# Allegro board HY_TSSB_ZB_V10A.brd
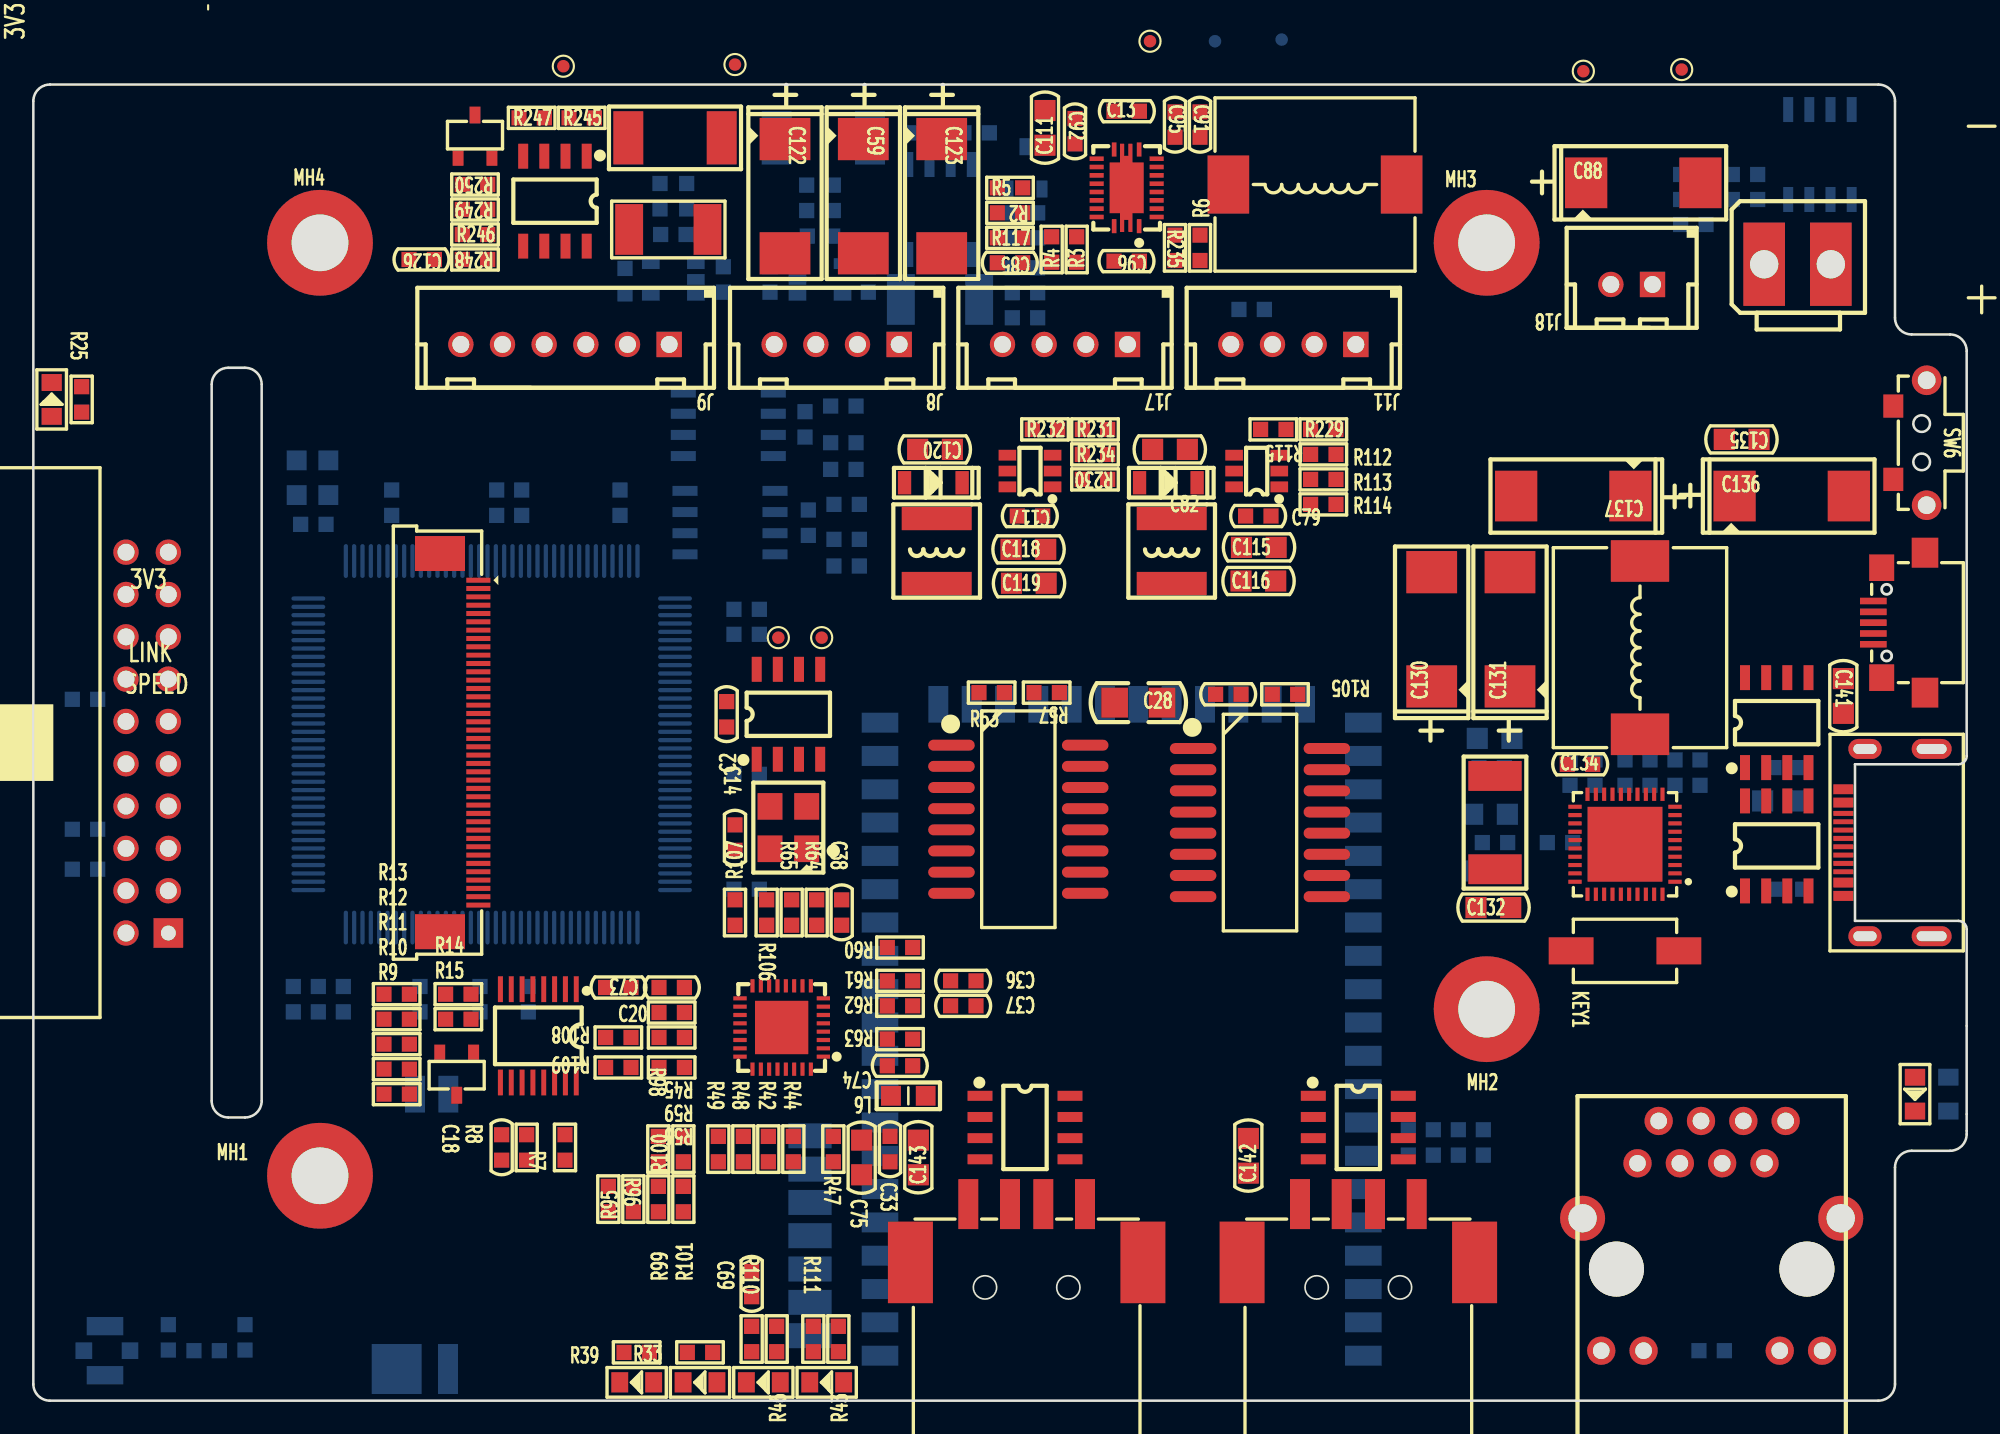
[diagram p0: board, top side]
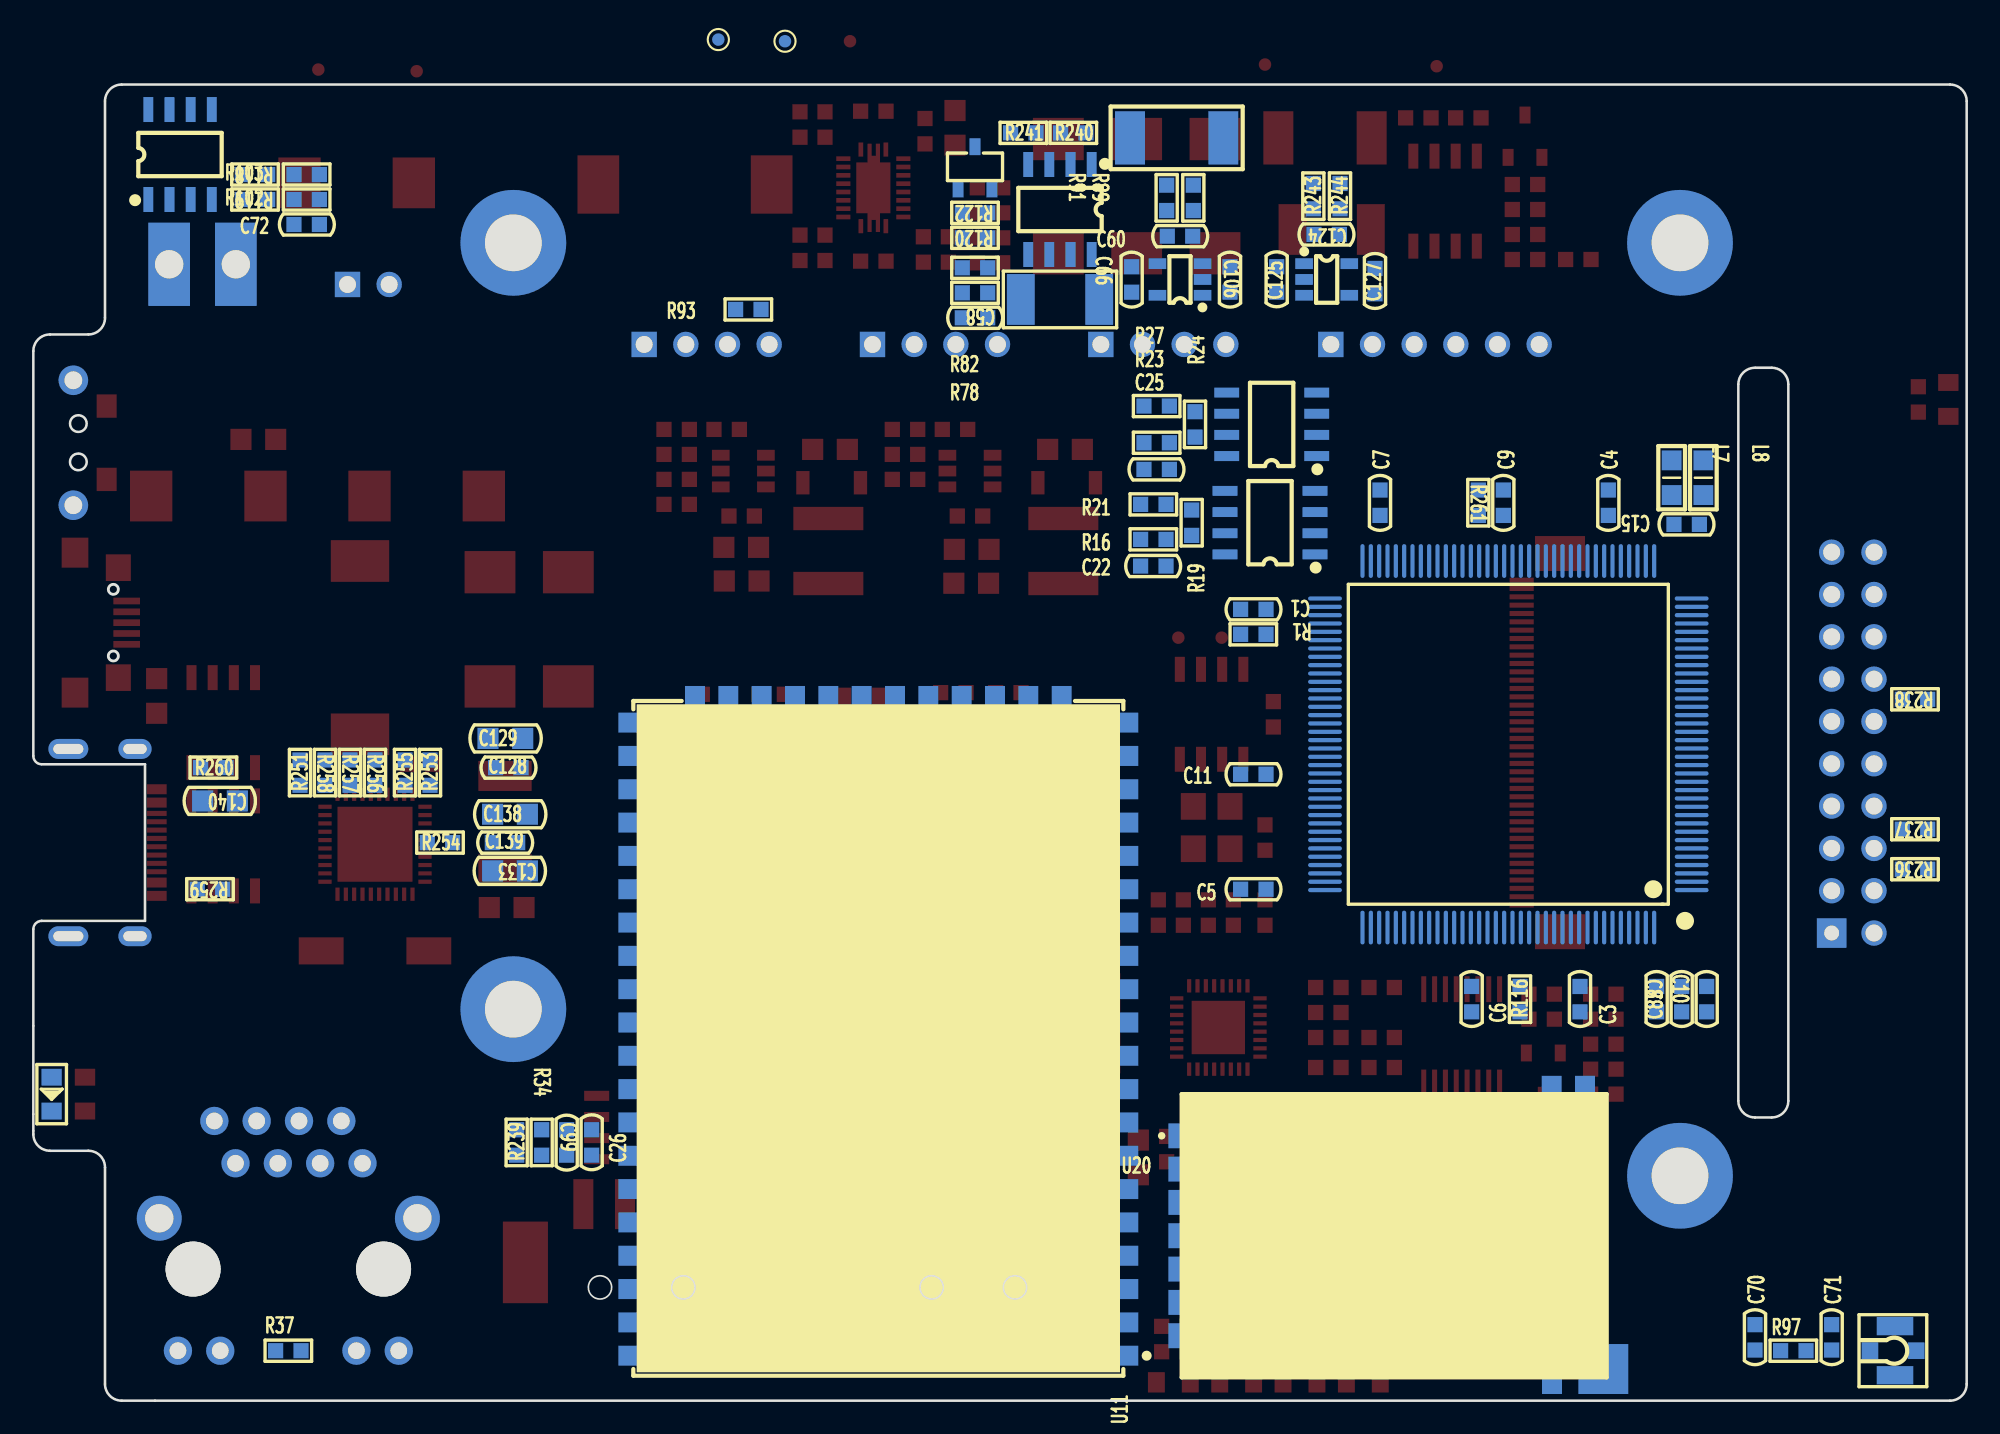
[diagram p1: board, bottom side, seen from below]

Outline 116 x 79 mm; copper layers: TOP, BOTTOM. Coordinates in mm from the lower left corner of the outline.
Outline path: 0,78 arc(0.29,78.71) 1,79 110.7,79 arc(111.41,78.71) 111.7,78 111.7,65 arc(111.99,64.29) 112.7,64 115,64 arc(115.71,63.71) 116,63 116,38.7 arc(115.85,38.35) 115.5,38.2 109.3,38.2 109.3,28.8 115.5,28.8 arc(115.85,28.65) 116,28.3 116,16 arc(115.71,15.29) 115,15 112.7,15 arc(111.99,14.71) 111.7,14 111.7,1 arc(111.41,0.29) 110.7,0 1,0 arc(0.29,0.29) 0,1 0,78 ; 10.7,61 10.7,18 arc(10.99,17.29) 11.7,17 12.7,17 arc(13.41,17.29) 13.7,18 13.7,61 arc(13.41,61.71) 12.7,62 11.7,62 arc(10.99,61.71) 10.7,61

## Design rules (mm)
constraint set DEFAULT: min track width 0.203, pair gap 0.203
net group DP1: nets TXN3 TXP3
net group DP2: nets RXN3 RXP3
net group DP3: nets R_A R_B
net group DP4: nets RX+ RX-
net group DP5: nets RXN2 RXP2
net group DP6: nets DMA1 DPA1
net group DP7: nets S_A S_B
net group DP8: nets TX+ TX-
net group DP9: nets DMA2 DPA2
net group DP10: nets TXN2 TXP2
net group DP11: nets DMB DPB
net group DP12: nets DMC DPC
net group DP13: nets MK60_RXN MK60_RXP
net group DP14: nets MK60_TXN MK60_TXP
net group DP15: nets RXN3_A RXP3_A
net group DP16: nets TXN3_A TXP3_A

## Placement (name value [footprint] x y rotation side)
C1  0.1uF_25V  [CC0603]  42.8 47.5 180 bottom
C2  0.1uF_25V  [CC0603]  41.6 41.2 90 top
C3  0.1uF_25V  [CC0603]  23.2 24.1 90 bottom
C4  0.1uF_25V  [CC0603]  21.5 53.9 270 bottom
C5  0.1uF_25V  [CC0603]  42.8 30.7 180 bottom
C6  0.1uF_25V  [CC0603]  29.7 24.1 90 bottom
C7  0.1uF_25V  [CC0603]  35.2 53.9 270 bottom
C8  0.1uF_25V  [CC0603]  17.1 24.1 90 bottom
C9  0.1uF_25V  [CC0603]  27.8 53.9 270 bottom
C10  0.1uF_25V  [CC0603]  15.6 24.1 90 bottom
C11  0.1uF_25V  [CC0603]  42.8 37.6 180 bottom
C13  47nF_25V  [CC0603]  65.6 77.4 0 top
C14  0.1uF_25V  [CC0603]  42.1 33.8 270 top
C15  0.1uF_25V  [CC0603]  16.8 52.6 0 bottom
C18  0.1uF_25V  [CC0603]  28.1 15.2 90 top
C20  0.1uF_25V  [CC0603]  35.1 24.8 0 top
C22  0.1uF_25V  [CC0603]  48.8 50.1 0 bottom
C25  0.1uF_25V  [CC0603]  48.6 55.9 0 bottom
C26  0.1uF_25V  [CC0603]  82.5 15.5 90 bottom
C28  0.1uF_25V  [CC0603]  71.7 42.4 180 top
C33  0.1uF_25V  [CC0603]  51.4 15.1 270 top
C36  0.1uF_25V  [CC0603]  55.8 25.2 180 top
C37  0.1uF_25V  [CC0603]  55.8 23.7 180 top
C38  100pF_25V  [CC0603]  48.5 29.3 90 top
C58  100pF_25V  [CC0603]  59.5 65 180 bottom
C59  47uF_25V  [CC7343_31]  49.8 72.3 270 top
C60  10uF_10V  [CC0603]  47.2 69.9 180 bottom
C66  0.1uF_25V  [CC0603]  50.1 67.3 270 bottom
C69  0.1uF_25V  [CC0603]  43.1 7 90 top
C70  0.1uF_25V/NI  [CC0603]  12.7 3.8 90 bottom
C71  0.1uF_25V/NI  [CC0603]  8.1 3.8 90 bottom
C72  100pF_25V  [CC0603]  99.6 70.6 180 bottom
C73  0.1uF_25V  [CC0603]  38.3 24.8 0 top
C74  0.1uF_25V  [CC0603]  52 20.1 180 top
C75  10uF_25V  [CC0805]  49.7 14.6 270 top
C79  10nF_25V  [CC0603]  73.5 53.1 180 top
C82  22uF_25V  [CC0805]  68.2 57.1 180 top
C83  0.1uF_25V  [CC0603]  18.6 24.1 90 bottom
C85  4.7nF_25V  [CC0603]  58.6 68.3 180 top
C88  100uF_16V  [CC7343_31]  96.6 73.1 0 top
C91  0.1uF_25V  [CC0603]  70 76.6 270 top
C92  0.1uF_25V  [CC0603]  62.5 76.2 270 top
C95  0.1uF_25V  [CC0603]  68.5 76.6 270 top
C96  2.2uF_10V  [CC0603]  65.6 68.4 180 top
C98  1nF_2000V  [C1206]  66.3 41.9 180 top
C99  100pF_25V  [CC0603]  84 15.5 270 bottom
C106  100pF_25V  [CC0603]  44.2 67.3 270 bottom
C111  22uF_25V  [CC0805]  60.7 76.4 90 top
C115  22uF_25V  [CC0805]  73.53 51.22 0 top
C116  22uF_25V  [CC0805]  73.5 49.2 0 top
C117  10nF_25V  [CC0603]  59.8 53.1 180 top
C118  22uF_25V  [CC0805]  59.7 51.1 0 top
C119  22uF_25V  [CC0805]  59.73 49.07 0 top
C120  22uF_25V  [CC0805]  54.1 57.1 180 top
C122  47uF_25V  [CC7343_31]  45.1 72.3 270 top
C123  47uF_25V  [CC7343_31]  54.5 72.3 270 top
C124  10uF_10V  [CC0603]  38.4 70 0 bottom
C125  100pF_25V  [CC0603]  41.4 67.3 90 bottom
C126  100pF_25V  [CC0603]  23.3 68.5 180 top
C127  0.1uF_25V  [CC0603]  35.5 67.2 90 bottom
C128  0.1uF_25V  [CC0603]  87.5 38 180 bottom
C129  22uF_25V  [CC0805]  87.68 39.75 180 bottom
C130  47uF_25V  [CC7343_31]  83.9 46.3 90 top
C131  47uF_25V  [CC7343_31]  88.6 46.3 90 top
C132  22uF_25V  [CC0805]  87.6 29.6 0 top
C133  22uF_25V  [CC0805]  87.4 31.8 0 bottom
C134  0.1uF_25V  [CC0603]  92.8 38.2 0 top
C135  22uF_25V  [CC0805]  102.5 57.7 180 top
C136  47uF_25V  [CC7343_31]  105.5 54.3 0 top
C137  47uF_25V  [CC7343_31]  92.4 54.3 180 top
C138  22uF_25V  [CC0805]  87.4 35.2 180 bottom
C139  0.1uF_25V  [CC0603]  87.7 33.5 180 bottom
C140  10uF_25V  [CC0805]  104.8 36 0 bottom
C141  10uF_25V  [CC0805]  108.6 42.3 270 top
C142  10uF_25V  [CC0805]  72.9 14.7 90 top
C143  10uF_25V  [CC0805]  53.1 14.6 90 top
D1  LED_GREEN  [LED0805]  1.1 60.1 90 top
D2  LED_GREEN  [LED0805]  40 1.1 180 top
D6  LED_GREEN  [LED0805]  36.2 1.1 180 top
D9  LED_YELLOW  [LED0805]  47.6 1.1 180 top
D10  LED_GREEN  [LED0805]  43.8 1.1 180 top
D11  LED_GREEN  [LED0805]  112.9 18.4 270 top
D15  LMBR140FT1G  [SOD-123]  66.5 55.1 0 top
D20  LMBR140FT1G  [SOD-123]  52.4 55.1 0 top
D21  LED_GREEN  [LED0805]  114.9 18.4 270 bottom
F1  mSMD200-16V  [FUSE1812]  54.4 66.1 180 bottom
F2  mSMD200-16V  [FUSE1812]  38.1 70.3 0 top
IPX1  IPEX/NI  [IPEX3]  4.3 3 270 bottom
J2  HEADER10X2_2R54  [HEADER10X2_2R54_L]  8.1 39.5 90 top
J3  -  [HR911105A]  100.7 7.9 180 top
J5  -  [POWER2A]  109.9 65.3 90 top
J7  -  [FPC-40P-0R5-D]  26.7 39.5 0 top
J8  -  [XHB-4A]  48.2 63.4 180 top
J9  -  [XHB-6A]  31.9 63.4 180 top
J11  -  [XHB-4A]  75.6 63.4 180 top
J17  -  [XHB-4A]  61.9 63.4 180 top
J18  XHB-2A  [XH-2A]  95.9 67 180 top
KEY1  KEY  [KEY_SMD_2]  95.5 27 180 top
L1  SMMS1040-1R5M  [SMMS1040]  76.9 73 180 top
L2  SWPA5020S4R7MT  [L5020]  68.3 51 270 top
L6  BLM21PG600  [LC0805]  52.5 18.3 180 top
L7  BEAD_BLM21PG600  [LC0805]  17.7 55.4 270 bottom
L8  BEAD_BLM21PG600  [LC0805]  15.8 55.4 270 bottom
L9  SWPA5020S4R7MT  [L5020]  54.2 51 270 top
L10  SMMS1040-1R5M  [SMMS1040]  96.4 45.2 90 top
MH1  HOLD-M3  [HOLD250D134]  17.2 13.5 0 top
MH2  HOLD-M3  [HOLD250D134]  87.2 23.5 0 top
MH3  HOLD-M3  [HOLD250D134]  87.2 69.5 0 top
MH4  HOLD-M3  [HOLD250D134]  17.2 69.5 0 top
NOREF  -  []  0 0 90 top
NOREF#2  -  []  0 0 90 top
NOREF#3  -  []  0 0 0 top
NOREF#4  -  []  0 0 90 top
NOREF#5  -  []  0 0 90 top
NOREF#6  -  []  0 0 0 top
NOREF#7  -  []  0 0 0 top
Q1  2N7002  [SOT23-3]  25.4 19.6 180 top
Q3  IRF9321TRPbF  [SOIC8]  54.4 71.5 0 bottom
Q5  2N7002  [SOT23-3]  59.5 74 180 bottom
Q14  IRF9321TRPbF  [SOIC8]  31.3 72 180 top
Q15  2N7002  [SOT23-3]  26.5 75.9 0 top
Q16  IRF9321TRPbF  [SOIC8]  107.2 74.8 180 bottom
Q17  IRF9321TRPbF  [SOIC8]  104.6 33.3 0 top
Q18  IRF9321TRPbF  [SOIC8]  104.6 40.7 0 top
Q54  AO4402  [SOIC8]  79.5 16.4 270 top
Q55  AO4402  [SOIC8]  59.5 16.4 270 top
R1  10K  [RC0603]  42.8 46 180 bottom
R2  0R  [RC0603]  58.6 71.3 180 top
R3  100K  [RC0603]  62.6 69.1 90 top
R4  17.4K  [RC0603]  61.1 69.1 90 top
R5  510K  [RC0603]  58.6 72.8 0 top
R6  255K  [RC0603]  70 69.2 270 top
R7  47K  [RC0603]  31.9 15.2 90 top
R8  47K  [RC0603]  29.6 15.2 90 top
R9  100R  [RC0603]  21.8 18.4 0 top
R10  100R  [RC0603]  21.8 19.9 0 top
R11  100R  [RC0603]  21.8 21.4 0 top
R12  100R  [RC0603]  21.8 22.9 0 top
R13  100R  [RC0603]  21.8 24.4 0 top
R14  1K  [RC0603]  25.5 24.4 0 top
R15  47K  [RC0603]  25.5 22.9 0 top
R16  4.7K  [RC0603]  48.8 51.7 0 bottom
R19  120R/NI  [RC0603]  46.5 52.7 270 bottom
R21  4.7K  [RC0603]  48.8 53.8 180 bottom
R23  4.7K  [RC0603]  48.6 57.5 0 bottom
R24  120R/NI  [RC0603]  46.3 58.6 270 bottom
R25  10K  [RC0603]  2.9 60.1 90 top
R27  4.7K  [RC0603]  48.6 59.7 180 bottom
R33  10K  [RC0603]  40 2.9 180 top
R34  0R  [RC0603]  85.5 15.5 90 bottom
R37  4.7K  [RC0603]  100.7 3 0 bottom
R39  10K  [RC0603]  36.2 2.9 180 top
R42  4.7K  [RC0603]  44.1 15.1 270 top
R43  4.7K  [RC0603]  48.3 3.7 90 top
R44  4.7K  [RC0603]  45.6 15.1 270 top
R45  4.7K  [RC0603]  38.3 23.3 180 top
R46  4.7K  [RC0603]  44.6 3.7 90 top
R47  10K  [RC0603]  48 15.1 90 top
R48  4.7K  [RC0603]  42.6 15.1 90 top
R49  4.7K  [RC0603]  41.1 15.1 90 top
R53  75R  [RC0603]  57.5 42.5 0 top
R56  33R  [RC0603]  38.3 20 0 top
R57  75R  [RC0603]  60.8 42.5 180 top
R59  33R  [RC0603]  38.3 21.8 0 top
R60  49.9R  [RC0603]  52 27.2 0 top
R61  49.9R  [RC0603]  52 25.2 0 top
R62  49.9R  [RC0603]  52 23.7 0 top
R63  49.9R  [RC0603]  52 21.7 0 top
R64  6.49K  [RC0603]  47 29.3 90 top
R65  4.7K  [RC0603]  45.5 29.3 90 top
R66  0R01  [RC2512]  87.7 34.7 270 top
R78  20K  [RC0603]  59.5 66.5 0 bottom
R82  100K  [RC0603]  59.5 68 180 bottom
R89  10R  [RC0603]  46.4 72.2 90 bottom
R90  1R  [RC2512]  47.4 75.8 0 bottom
R91  10R  [RC0603]  48 72.2 90 bottom
R93  4.7K  [RC0603]  73.1 65.5 180 bottom
R95  0R  [RC0603]  36 12.1 90 top
R96  0R  [RC0603]  34.5 12.1 90 top
R97  0R/NI  [RC0603]  10.4 3 0 bottom
R98  0R/NI  [RC0603]  37.5 15.1 90 top
R99  0R/NI  [RC0603]  37.5 12.1 270 top
R100  0R  [RC0603]  39 15.1 90 top
R101  0R  [RC0603]  39 12.1 270 top
R102  100K  [RC0603]  99.6 72.1 0 bottom
R103  200K  [RC0603]  99.6 73.6 180 bottom
R105  0R  [RC0603]  75.1 42.4 0 top
R106  4.7K  [RC0603]  44 29.3 90 top
R107  4.7K  [RC0603]  42.1 29.3 90 top
R108  4.7K  [RC0603]  35.1 21.8 180 top
R109  4.7K  [RC0603]  35.1 20 180 top
R110  10K  [RC0603]  43.1 3.7 90 top
R111  10K  [RC0603]  46.8 3.7 90 top
R112  9.09K  [RC0603]  77.4 56.8 180 top
R113  402R  [RC0603]  77.4 55.3 0 top
R114  49.9K  [RC0603]  77.4 53.8 180 top
R115  100K  [RC0603]  74.4 58.3 0 top
R116  47K  [RC0603]  26.8 24.1 90 bottom
R117  56K  [RC0603]  58.6 69.8 0 top
R118  10K  [RC0603]  102.7 73.6 0 bottom
R119  1K  [RC0603]  102.7 72.1 0 bottom
R120  1K  [RC0603]  59.5 69.8 0 bottom
R122  47K  [RC0603]  59.5 71.3 0 bottom
R229  49.9K  [RC0603]  77.4 58.3 0 top
R230  49.9K  [RC0603]  63.7 55.3 180 top
R231  49.9K  [RC0603]  63.7 58.3 0 top
R232  100K  [RC0603]  60.7 58.3 0 top
R234  16.2K  [RC0603]  63.7 56.8 0 top
R235  10K  [RC0603]  68.5 69.2 270 top
R236  10K  [RC0603]  3.1 31.9 0 bottom
R237  10K  [RC0603]  3.1 34.3 0 bottom
R238  10K  [RC0603]  3.1 42.1 0 bottom
R239  0R/NI  [RC0603]  87 15.5 90 bottom
R240  10K  [RC0603]  53.6 76.1 180 bottom
R241  1K  [RC0603]  56.6 76.1 180 bottom
R242  1R  [RC2512]  38.5 75.8 180 top
R243  10R  [RC0603]  39.2 72.3 90 bottom
R244  10R  [RC0603]  37.6 72.3 90 bottom
R245  10K  [RC0603]  32.9 77 0 top
R246  100K  [RC0603]  26.5 70 0 top
R247  1K  [RC0603]  29.9 77 0 top
R248  20K  [RC0603]  26.5 68.5 180 top
R249  1K  [RC0603]  26.5 71.5 180 top
R250  47K  [RC0603]  26.5 73 180 top
R251  82K  [RC0603]  100 37.7 90 bottom
R253  114K  [RC0603]  92.2 37.7 90 bottom
R254  1K  [RC0603]  91.6 33.5 180 bottom
R255  10K  [RC0603]  93.7 37.7 90 bottom
R256  0R/NI  [RC0603]  95.5 37.7 270 bottom
R257  10K  [RC0603]  97 37.7 270 bottom
R258  10K  [RC0603]  98.5 37.7 270 bottom
R259  10K  [RC0603]  105.4 30.7 0 bottom
R260  10K  [RC0603]  105.2 38 180 bottom
R261  0R/NI  [RC0603]  29.3 53.9 270 bottom
SW6  -  [K2-1112SW-A4SW-04]  113.3 57.5 270 top
T1  H81621S  [MAG-100M-1]  73.6 34.7 0 top
T2  H81621S  [MAG-100M-1]  59.1 34.9 0 top
TP1  TestPoint  [TP-0R75]  47.3 45.8 270 top
TP2  TestPoint  [TP-0R75]  44.7 45.8 270 top
TP3  TestPoint  [TP-0R75]  98.9 79.9 0 top
TP5  TestPoint  [TP-0R75]  74.9 81.7 0 bottom
TP6  TestPoint  [TP-0R75]  70.9 81.6 180 bottom
TP11  TestPoint  [TP-0R75]  67 81.6 0 top
TP12  TestPoint  [TP-0R75]  93 79.8 0 top
TP23  TestPoint  [TP-0R75]  42.1 80.2 0 top
TP24  TestPoint  [TP-0R75]  31.8 80.1 0 top
U1  MK60DN512VLQ10  [LQFP-144]  27.5 39.4 0 bottom
U2  CY2305SXI-1HT  [SOIC8]  45.3 41.2 0 top
U3  MP2359DJ-LF-Z  [TSOT23-6]  73.4 55.8 90 top
U5  XPT2046  [TSSOP-16]  30.3 21.9 180 top
U7  MAX3485ESA  [SOIC8]  41.8 52.7 90 bottom
U10  MAX3485ESA  [SOIC8]  41.7 58.6 90 bottom
U11  -  [HLK-RM08K]  50.8 2.7 90 bottom
U12  KSZ8041NLI  [MLF-32]  44.9 22.4 180 top
U18  INA193AIDBVT  [SOT23-5]  47.2 67.3 90 bottom
U20  E32-TTL-100S1/NI  [E32-TTL-100S1]  47.1 15.9 180 bottom
U21  TPS61088RHLR  [VQFN-20]  65.6 72.8 90 top
U47  MP2359DJ-LF-Z  [TSOT23-6]  59.8 55.8 90 top
U48  INA193AIDBVT  [SOT23-5]  38.4 67.3 270 bottom
U49  IP5328P  [QFN-40]  95.5 33.4 180 top
USB2  -  [USB_TYPE-C_16P]  108.7 33.5 90 top
USB3  USB-MICRO  [USB-U-F-M5SS-W-1]  110.4 46.7 90 top
USB4  USB-A  [USB-A-SMD]  79.5 6.8 270 top
USB5  USB-A  [USB-A-SMD]  59.6 6.8 270 top
Y2  SG5032CAN-50M-TJGA  [X-4P-5R0X3R2-SMD]  45.3 34.4 90 top

## Library data of the parts
C1 C3-C11 C13 C15 C22 C25 C26 C28 C33 C36-C38 C60 C66 C69-C71 C73 C74 C79 C85 C91 C92 C95 C96 C98 C99 C117 C124 C127 C128 C134 C139 = CAP NP_2
C2 C14 C58 C72 C75 C82 C106 C111 C115 C116 C118-C120 C125 C126 C129 C132 C133 C135 C138 C140-C143 = CAP NP_3
C18 C20 C83 = CAP NP
C59 C88 C122 C123 C130 C131 C136 C137 = TMP_154254
D1 D2 D6 D9-D11 D21 = LED_4
D15 D20 = DIODE13_0
F1 F2 = FUSE
IPX1 = IPEX_1
J2 = CON20_0
J3 = HR911105A
J5 = CON2
J7 = FPC-40P-0R5-D
J8 J11 J17 = CONN RCPT 4
J9 = CONN RCPT 6
J18 = CONN RCPT 2
KEY1 = SW PUSHBUTTON_1
L1 L10 = IND_BEAD_0805_600OHM_1
L2 L9 = INDUCTOR_0
L6-L8 = IND_BEAD_0805_600OHM_200MA
MH1-MH4 = Hold_1
Q1 Q5 Q15 = MOS-P_0
Q3 Q14 Q16-Q18 = SI4497DY-T1-GE3
Q54 Q55 = SI4410BDY-T1-E3_0
R1-R16 R19 R21 R23-R25 R27 R33 R34 R37 R39 R42-R49 R53 R56 R57 R59-R66 R78 R82 R89-R91 R93 R95-R103 R105-R120 R122 R229-R232 R234-R251 R253-R261 = R_Generic
SW6 = SWITCH-SPST-4P
T1 T2 = H1102_0
TP1-TP3 TP5 TP6 TP11 TP12 = TestPoint
TP23 TP24 = TestPoint_0
U1 = K60
U2 = CY2305C_0
U3 U47 = MP2359DJ-LF-Z
U5 = XPT2046
U7 U10 = MAX3485ESA
U11 = HLK-RM08K
U12 = KSZ8041NL
U18 U48 = 74AHC1G08_1
U20 = E32-TTL-100S1
U21 = TPS61088RHLR
U49 = IP5328P_0
USB2 = TYPE-C_16P
USB3 = USB-MICRO
USB4 USB5 = USB-A
Y2 = SMD_OSC_3

## Footprints (pads in the part's own frame, mm; a bottom-side part is the same pattern mirrored in y, then rotated)
C1206
  rect 1.6x1.8 smd: 1(-1.422,0) 2(1.422,0)
CC0603
  rect 0.914x0.914 smd: 1(-0.762,0) 2(0.762,0)
CC0805
  rect 1.27x1.27 smd: 1(-1.041,0) 2(1.041,0)
CC7343_31
  rect 2.54x3.048 smd: 1(-3.429,0) 2(3.429,0)
E32-TTL-100S1
  rect 2.6x1.5 smd: 1(0.5,0) 2(0.5,-2) 3(0.5,-4) 4(0.5,-6) 5(0.5,-8) 6(0.5,-10) 7(0.5,-12)
  rect 1.2x3 smd: 8(22.22,-14)
  rect 3x3 smd: 9(25.3,-14)
  rect 1.2x2.2 smd: 10(24.2,2.5) 11(22.2,2.5)
FPC-40P-0R5-D
  rect 1.45x0.3 smd: 1(0,9.75) 2(0,9.25) 3(0,8.75) 4(0,8.25) 5(0,7.75) 6(0,7.25) 7(0,6.75) 8(0,6.25) 9(0,5.75) 10(0,5.25) 11(0,4.75) 12(0,4.25) 13(0,3.75) 14(0,3.25) 15(0,2.75) 16(0,2.25) 17(0,1.75) 18(0,1.25) 19(0,0.75) 20(0,0.25) 21(0,-0.25) 22(0,-0.75) 23(0,-1.25) 24(0,-1.75) 25(0,-2.25) 26(0,-2.75) 27(0,-3.25) 28(0,-3.75) 29(0,-4.25) 30(0,-4.75) 31(0,-5.25) 32(0,-5.75) 33(0,-6.25) 34(0,-6.75) 35(0,-7.25) 36(0,-7.75) 37(0,-8.25) 38(0,-8.75) 39(0,-9.25) 40(0,-9.75)
  rect 3x2.1 smd: 41(-2.3,-11.35) 42(-2.3,11.35)
FUSE1812
  rect 1.676x3.048 smd: 1(-2.349,0) 2(2.349,0)
HEADER10X2_2R54_L
  rect 1.778x1.778 hole 0.889: 1(-11.43,0)
  round 1.524 hole 1.016: 2(-11.43,2.54) 3(-8.89,0) 4(-8.89,2.54) 5(-6.35,0) 6(-6.35,2.54) 7(-3.81,0) 8(-3.81,2.54) 9(-1.27,0) 10(-1.27,2.54) 11(1.27,0) 12(1.27,2.54) 13(3.81,0) 14(3.81,2.54) 15(6.35,0) 16(6.35,2.54) 17(8.89,0) 18(8.89,2.54) 19(11.43,0) 20(11.43,2.54)
HLK-RM08K
  rect 1.2x2.2 smd: 1(0,0) 2(2,0) 3(4,0) 4(6,0) 5(8,0) 6(10,0) 7(12,0) 8(14,0) 9(16,0) 10(18,0) 11(20,0) 12(22,0) 13(24,0) 14(26,0) 15(28,0) 16(30,0) 17(32,0) 18(34,0) 19(36,0) 20(38,0) 33(38,29) 34(36,29) 35(34,29) 36(32,29) 37(30,29) 38(28,29) 39(26,29) 40(24,29) 41(22,29) 42(20,29) 43(18,29) 44(16,29) 45(14,29) 46(12,29) 47(10,29) 48(8,29) 49(6,29) 50(4,29) 51(2,29) 52(0,29)
  rect 2.2x1.2 smd: 21(39.1,3.5) 22(39.1,5.5) 23(39.1,7.5) 24(39.1,9.5) 25(39.1,11.5) 26(39.1,13.5) 27(39.1,15.5) 28(39.1,17.5) 29(39.1,19.5) 30(39.1,21.5) 31(39.1,23.5) 32(39.1,25.5)
HOLD250D134
  round 6.35 hole 3.404: 1(0,0)
HR911105A
  round 3.3 hole 3.3 unplated: (-5.715,0) (5.715,0)
  round 1.699 hole 1.001: 1(4.45,-6.35) 2(3.18,-8.89) 3(1.91,-6.35) 4(0.64,-8.89) 5(-0.63,-6.35) 6(-1.9,-8.89) 7(-3.17,-6.35) 8(-4.44,-8.89) 9(6.625,4.9) 10(4.085,4.9) 11(-4.085,4.9) 12(-6.625,4.9)
  round 2.7 hole 1.7: 13(7.745,-3.05) 14(-7.745,-3.05)
IPEX3
  rect 1x1 smd: 1(0,-1.501) 3(0,1.27)
  rect 1.1x2.2 smd: 2(1.473,0) 4(-1.473,0)
K2-1112SW-A4SW-04
  round 1.778 hole 1.067: 1(-3.75,0.3) 4(3.75,0.3)
  rect 1.4x1.2 smd: 2(-2.2,-1.7) 3(2.2,-1.7)
KEY_SMD_2
  rect 2.692x1.626 smd: 1(-3.23,0) 2(3.23,0)
L5020
  rect 1.4x4.2 smd: 1(-1.95,0) 2(1.95,0)
LC0805
  rect 1.194x1.194 smd: 1(-1.041,0) 2(1.041,0)
LED0805
  rect 1.016x1.219 smd: 1(-1.016,0) 2(1.016,0)
LQFP-144
  oval 2.032x0.254 smd: 1(-11,8.75) 2(-11,8.25) 3(-11,7.75) 4(-11,7.25) 5(-11,6.75) 6(-11,6.25) 7(-11,5.75) 8(-11,5.25) 9(-11,4.75) 10(-11,4.25) 11(-11,3.75) 12(-11,3.25) 13(-11,2.75) 14(-11,2.25) 15(-11,1.75) 16(-11,1.25) 17(-11,0.75) 18(-11,0.25) 19(-11,-0.25) 20(-11,-0.75) 21(-11,-1.25) 22(-11,-1.75) 23(-11,-2.25) 24(-11,-2.75) 25(-11,-3.25) 26(-11,-3.75) 27(-11,-4.25) 28(-11,-4.75) 29(-11,-5.25) 30(-11,-5.75) 31(-11,-6.25) 32(-11,-6.75) 33(-11,-7.25) 34(-11,-7.75) 35(-11,-8.25) 36(-11,-8.75) 73(11,-8.75) 74(11,-8.25) 75(11,-7.75) 76(11,-7.25) 77(11,-6.75) 78(11,-6.25) 79(11,-5.75) 80(11,-5.25) 81(11,-4.75) 82(11,-4.25) 83(11,-3.75) 84(11,-3.25) 85(11,-2.75) 86(11,-2.25) 87(11,-1.75) 88(11,-1.25) 89(11,-0.75) 90(11,-0.25) 91(11,0.25) 92(11,0.75) 93(11,1.25) 94(11,1.75) 95(11,2.25) 96(11,2.75) 97(11,3.25) 98(11,3.75) 99(11,4.25) 100(11,4.75) 101(11,5.25) 102(11,5.75) 103(11,6.25) 104(11,6.75) 105(11,7.25) 106(11,7.75) 107(11,8.25) 108(11,8.75)
  oval 0.254x2.032 smd: 37(-8.75,-11) 38(-8.25,-11) 39(-7.75,-11) 40(-7.25,-11) 41(-6.75,-11) 42(-6.25,-11) 43(-5.75,-11) 44(-5.25,-11) 45(-4.75,-11) 46(-4.25,-11) 47(-3.75,-11) 48(-3.25,-11) 49(-2.75,-11) 50(-2.25,-11) 51(-1.75,-11) 52(-1.25,-11) 53(-0.75,-11) 54(-0.25,-11) 55(0.25,-11) 56(0.75,-11) 57(1.25,-11) 58(1.75,-11) 59(2.25,-11) 60(2.75,-11) 61(3.25,-11) 62(3.75,-11) 63(4.25,-11) 64(4.75,-11) 65(5.25,-11) 66(5.75,-11) 67(6.25,-11) 68(6.75,-11) 69(7.25,-11) 70(7.75,-11) 71(8.25,-11) 72(8.75,-11) 109(8.75,11) 110(8.25,11) 111(7.75,11) 112(7.25,11) 113(6.75,11) 114(6.25,11) 115(5.75,11) 116(5.25,11) 117(4.75,11) 118(4.25,11) 119(3.75,11) 120(3.25,11) 121(2.75,11) 122(2.25,11) 123(1.75,11) 124(1.25,11) 125(0.75,11) 126(0.25,11) 127(-0.25,11) 128(-0.75,11) 129(-1.25,11) 130(-1.75,11) 131(-2.25,11) 132(-2.75,11) 133(-3.25,11) 134(-3.75,11) 135(-4.25,11) 136(-4.75,11) 137(-5.25,11) 138(-5.75,11) 139(-6.25,11) 140(-6.75,11) 141(-7.25,11) 142(-7.75,11) 143(-8.25,11) 144(-8.75,11)
MAG-100M-1
  oval 2.794x0.66 smd: 1(-4.013,4.445) 2(-4.013,3.175) 3(-4.013,1.905) 4(-4.013,0.635) 5(-4.013,-0.635) 6(-4.013,-1.905) 7(-4.013,-3.175) 8(-4.013,-4.445) 9(4.013,-4.445) 10(4.013,-3.175) 11(4.013,-1.905) 12(4.013,-0.635) 13(4.013,0.635) 14(4.013,1.905) 15(4.013,3.175) 16(4.013,4.445)
MLF-32
  rect 0.8x0.25 smd: 1(-2.5,1.75) 2(-2.5,1.25) 3(-2.5,0.75) 4(-2.5,0.25) 5(-2.5,-0.25) 6(-2.5,-0.75) 7(-2.5,-1.25) 8(-2.5,-1.75) 17(2.5,-1.75) 18(2.5,-1.25) 19(2.5,-0.75) 20(2.5,-0.25) 21(2.5,0.25) 22(2.5,0.75) 23(2.5,1.25) 24(2.5,1.75)
  rect 0.25x0.8 smd: 9(-1.75,-2.5) 10(-1.25,-2.5) 11(-0.75,-2.5) 12(-0.25,-2.5) 13(0.25,-2.5) 14(0.75,-2.5) 15(1.25,-2.5) 16(1.75,-2.5) 25(1.75,2.5) 26(1.25,2.5) 27(0.75,2.5) 28(0.25,2.5) 29(-0.25,2.5) 30(-0.75,2.5) 31(-1.25,2.5) 32(-1.75,2.5)
  rect 3.2x3.2 smd: 33(0,0)
POWER2A
  rect 5x2.5 hole 1.7: 1(2.912,6.05) 2(2.912,2.05)
QFN-40
  rect 0.8x0.25 smd: 1(-3,2.25) 2(-3,1.75) 3(-3,1.25) 4(-3,0.75) 5(-3,0.25) 6(-3,-0.25) 7(-3,-0.75) 8(-3,-1.25) 9(-3,-1.75) 10(-3,-2.25) 21(3,-2.25) 22(3,-1.75) 23(3,-1.25) 24(3,-0.75) 25(3,-0.25) 26(3,0.25) 27(3,0.75) 28(3,1.25) 29(3,1.75) 30(3,2.25)
  rect 0.25x0.8 smd: 11(-2.25,-3) 12(-1.75,-3) 13(-1.25,-3) 14(-0.75,-3) 15(-0.25,-3) 16(0.25,-3) 17(0.75,-3) 18(1.25,-3) 19(1.75,-3) 20(2.25,-3) 31(2.25,3) 32(1.75,3) 33(1.25,3) 34(0.75,3) 35(0.25,3) 36(-0.25,3) 37(-0.75,3) 38(-1.25,3) 39(-1.75,3) 40(-2.25,3)
  rect 4.5x4.5 smd: 41(0,0)
RC0603
  rect 0.914x0.914 smd: 1(-0.762,0) 2(0.762,0)
RC2512
  rect 1.8x3.2 smd: 1(-2.8,0) 2(2.8,0)
SMMS1040
  rect 2.5x3.5 smd: 1(-5.2,0) 2(5.2,0)
SOD-123
  rect 0.8x1.4 smd: 1(-0.127,0) 2(3.327,0)
SOIC8
  rect 0.6x1.5 smd: 1(-1.9,-2.7) 2(-0.63,-2.7) 3(0.64,-2.7) 4(1.91,-2.7) 5(1.91,2.7) 6(0.64,2.7) 7(-0.63,2.7) 8(-1.9,2.7)
SOT23-3
  rect 0.66x1.016 smd: 1(-1.016,-1.27) 2(1.016,-1.27) 3(0,1.27)
SOT23-5
  rect 0.65x1.06 smd: 1(-0.95,-1.354) 2(0,-1.354) 3(0.95,-1.354) 4(0.95,1.354) 5(-0.95,1.354)
TP-0R75
  round 0.75 smd: 1(0,0)
TSOT23-6
  rect 0.65x1.06 smd: 1(-0.95,-1.354) 2(0,-1.354) 3(0.95,-1.354) 4(0.95,1.354) 5(0,1.354) 6(-0.95,1.354)
TSSOP-16
  rect 0.3x1.55 smd: 1(-2.275,-2.8) 2(-1.625,-2.8) 3(-0.975,-2.8) 4(-0.325,-2.8) 5(0.325,-2.8) 6(0.975,-2.8) 7(1.625,-2.8) 8(2.275,-2.8) 9(2.275,2.8) 10(1.625,2.8) 11(0.975,2.8) 12(0.325,2.8) 13(-0.325,2.8) 14(-0.975,2.8) 15(-1.625,2.8) 16(-2.275,2.8)
USB-A-SMD
  rect 3x1.2 smd: 1(-5,-3.5) 2(-5,-1) 3(-5,1) 4(-5,3.5)
  rect 4.9x2.7 smd: 5(-1.5,-6.975) 6(-1.5,6.975)
USB-U-F-M5SS-W-1
  rect 0.4x1.6 smd: 1(-1.3,0) 2(-0.65,0) 3(0,0) 4(0.65,0) 5(1.3,0)
  rect 1.6x1.5 smd: 6(-3.3,-0.5) 7(3.3,-0.5)
  rect 1.8x1.6 smd: 8(-4.2,-3.1) 9(4.2,-3.1)
USB_TYPE-C_16P
  rect 0.6x1.2 smd: 1(-3.2,0.1) 2(-2.4,0.1) 11(2.4,0.1) 12(3.2,0.1)
  rect 0.3x1.2 smd: 3(-1.75,0.1) 4(-1.25,0.1) 5(-0.75,0.1) 6(-0.25,0.1) 7(0.25,0.1) 8(0.75,0.1) 9(1.25,0.1) 10(1.75,0.1)
  oval 1.2x2 hole 0.6x1.4: 13(-5.62,-1.2) 14(5.62,-1.2)
  oval 1.2x2.4 hole 0.6x1.8: 15(-5.62,-5.2) 16(5.62,-5.2)
VQFN-20
  rect 0.85x0.28 smd: 1(-2.3,-0.75) 10(2.3,-0.75) 11(2.3,0.75) 20(-2.3,0.75)
  rect 0.28x0.85 smd: 2(-1.75,-1.8) 3(-1.25,-1.8) 4(-0.75,-1.8) 5(-0.25,-1.8) 6(0.25,-1.8) 7(0.75,-1.8) 8(1.25,-1.8) 9(1.75,-1.8) 12(1.75,1.8) 13(1.25,1.8) 14(0.75,1.8) 15(0.25,1.8) 16(-0.25,1.8) 17(-0.75,1.8) 18(-1.25,1.8) 19(-1.75,1.8)
  custom 5.3x2.05 smd: 21(0,0)
X-4P-5R0X3R2-SMD
  rect 1.6x1.5 smd: 1(-1.27,-1.1) 2(1.27,-1.1) 3(1.27,1.1) 4(-1.27,1.1)
XH-2A
  rect 1.524x1.524 hole 1.016: 1(-1.25,0)
  round 1.524 hole 1.016: 2(1.25,0)
XHB-4A
  rect 1.524x1.524 hole 1.016: 1(-3.75,0)
  round 1.524 hole 1.016: 2(-1.25,0) 3(1.25,0) 4(3.75,0)
XHB-6A
  rect 1.524x1.524 hole 1.016: 1(-6.25,0)
  round 1.524 hole 1.016: 2(-3.75,0) 3(-1.25,0) 4(1.25,0) 5(3.75,0) 6(6.25,0)

## Nets
GND: C1.1 C2.1 C3.1 C4.1 C5.1 C6.1 C7.1 C8.1 C9.1 C10.1 C11.1 C13.1 C14.1 C18.1 C20.2 C22.2 C25.2 C26.2 C28.2 C33.2 C36.1 C37.1 C38.2 C58.2 C59.2 C66.1 C69.2 C70.2 C71.2 C72.1 C73.1 C74.1 C75.2 C82.2 C83.1 C85.2 C88.2 C92.1 C95.1 C96.2 C98.1 C99.1 C106.1 C111.2 C115.2 C116.2 C118.2 C119.2 C120.2 C122.2 C123.2 C125.1 C126.2 C127.1 C128.1 C129.2 C130.2 C131.2 C132.1 C133.1 C135.2 C136.2 C137.2 C138.2 C139.1 C140.2 C141.2 C142.2 C143.2 D11.2(CATHODE) D15.1 D20.1 D21.2(CATHODE) IPX1.2 IPX1.4 J2.4 J2.6 J2.8 J2.10 J2.12 J2.14 J2.16 J2.18 J2.20 J3.8 J3.13 J3.14 J5.1 J7.1 J7.25 J7.37 J7.39 J7.41 J7.42 J8.2 J9.2 J11.2 J11.3 J17.2 J18.2 KEY1.1 L8.1 Q1.2(S) Q5.2(S) Q15.2(S) R3.1 R15.1 R16.2 R23.2 R44.2 R45.2 R48.1 R49.1 R64.2 R78.1 R100.2 R101.2 R102.2 R108.2 R109.2 R112.2 R117.1 R122.1 R229.2 R231.2 R234.2 R248.1 R250.1 R251.2 R253.2 R256.2 R257.2 R258.2 SW6.1 SW6.3 SW6.4 U1.6 U1.17 U1.18 U1.44 U1.57 U1.71 U1.93 U1.107 U1.121 U1.134 U2.4 U3.2 U5.6 U7.5 U10.5 U11.8 U11.50 U12.1 U12.33 U18.2 U20.7 U20.8 U20.10 U20.11 U21.11 U21.12 U21.20 U21.21 U47.2 U48.2 U49.29 U49.41 USB2.1 USB2.12 USB2.13 USB2.14 USB2.15 USB2.16 USB3.4 USB3.5 USB3.6 USB3.7 USB3.8 USB3.9 USB4.4 USB4.5 USB4.6 USB5.4 USB5.5 USB5.6 Y2.2
VBUSG: Q17.4 R259.1 U49.33
VCC_3.3V: C2.2 C3.2 C4.2 C5.2 C6.2 C7.2 C8.2 C9.2 C10.2 C11.2 C14.2 C18.2 C20.1 C22.1 C25.1 C66.2 C69.1 C73.2 C83.2 C118.1 C119.1 C127.2 J2.1 J2.2 J7.2 J7.3 J7.35 J7.36 L6.1 L7.1 L9.2 R1.1 R7.1 R8.1 R21.1 R25.2 R27.1 R42.2 R43.2 R46.2 R47.1 R65.2 R93.2 R98.2 R99.2 R105.2 R106.2 R107.2 R110.2 R111.2 R116.1 R230.1 R236.1 R237.1 R238.1 TP5.1 U1.5 U1.16 U1.22 U1.42 U1.43 U1.56 U1.70 U1.94 U1.108 U1.122 U1.135 U2.6(VDD) U5.1 U5.9 U5.10 U7.8(VCC) U10.8(VCC) U12.17 U18.5 U20.6(VCC) U48.5 Y2.4(VCC)
VCC_5V_WIFI: C26.1 C115.1 C116.1 J3.9 J3.12 L2.2 R33.2 R39.2 R114.1 TP6.1 U11.46
VCC_12V: C59.1 C82.1 C92.2 C111.1 C120.1 C122.1 C123.1 R5.2 R89.2 R90.1 R115.1 R232.1 R242.1 R243.2 TP11.1 U3.5 U21.14 U21.15 U21.16(VOUT_3) U47.5
VCC_12V_CAMERA: F2.2 J9.1 TP24.1
VCC_12V_SENSOR: F1.2 J8.1 TP23.1
VCC_BAT_OUT: C88.1 C95.2 L1.1 Q16.5 Q16.6 Q16.7 Q16.8 R103.1 R235.2 TP12.1 U21.9
VCC_VBAT: C132.2 C135.1 C136.1 C137.1 J5.2 L10.2(B) Q16.1 Q16.2 Q16.3(S3) R118.2 U49.28
VCC_VBUS: C140.1 Q17.5 Q17.6 Q17.7 Q17.8 U49.32 USB2.2 USB2.11(VBUS2)
VCC_VIN: C141.1 Q18.5 Q18.6 Q18.7 Q18.8 U49.30 USB3.1(VBUS)
VCC_VMID: C138.1 C139.2 Q17.1 Q17.2 Q17.3(S3) Q18.1 Q18.2 Q18.3(S3) Q54.5 Q54.6 Q54.7 Q54.8 Q55.5 Q55.6 Q55.7 Q55.8 R66.2 R259.2 R260.2 U49.25
VCC_VOUT1: C142.1 Q54.1 Q54.2 Q54.3(S_3) U49.37 USB4.1(VBUS)
VCC_VOUT2: C143.1 Q55.1 Q55.2 Q55.3(S_3) U49.34 USB5.1(VBUS)
VCC_VREG: C133.2 U49.27
VCC_VSYS: C128.2 C129.1 C130.1 C131.1 R66.1 U49.8 U49.9 U49.22 U49.23(VSYS_4) U49.24
VDDA3V3: C15.2 L7.2(B) U1.31 U1.32
VDDA_3.3V_PHY: C74.2 L6.2(B) U12.3
VING: Q18.4 R260.1 U49.31
VSSA: C15.1 L8.2(B) U1.33 U1.34
BL: R14.1 U1.104
C_CURR: C125.2 U1.35 U48.1
C_VOLT: C126.1 R246.1 R248.2 U1.36
CC1: U49.2 USB2.4
CC2: U49.3 USB2.10
CHARGE_DETECT: R261.2 U1.58
CLK_50M_MK60: TP2.1 U1.72 U2.7
CLK_50M_PHY: TP1.1 U2.5 U12.9
CONFIG0: R42.1 U12.28
CONFIG1: R44.1 U12.29
CONFIG2: R45.1 R59.2 U12.18
CS: J7.4 R116.2 U1.128
CTL_CAMERA: R249.2 U1.48
CTL_LED: D1.2(CATHODE) U1.59
CTL_SENSOR: R120.2 U1.47
DMA1: U49.38 USB4.2
DMA2: U49.40 USB5.2
DMB: U49.6 USB3.2
DMC: U49.4 USB2.5 USB2.7
DPA1: U49.39 USB4.3
DPA2: U49.1 USB5.3
DPB: U49.7 USB3.3
DPC: U49.5 USB2.6 USB2.8
EL2: R37.1 U11.48
EL3: D6.2(CATHODE) U11.49
ES1: R34.2 U11.43
FB_AD0: J7.9 U1.96
FB_AD1: J7.10 U1.95
FB_AD2: J7.11 U1.92
FB_AD3: J7.12 U1.91
FB_AD4: J7.13 U1.90
FB_AD5: J7.14 U1.89
FB_AD6: J7.15 U1.88
FB_AD7: J7.16 U1.87
FB_AD8: J7.17 U1.120
FB_AD9: J7.18 U1.119
FB_AD10: J7.19 U1.118
FB_AD11: J7.20 U1.117
FB_AD12: J7.21 U1.102
FB_AD13: J7.22 U1.101
FB_AD14: J7.23 U1.100
FB_AD15: J7.24 U1.99
FB_BE_23_16: J7.6 U1.123
FB_OE_B: J7.7 U1.98
JTAG_TCLK: J2.9 U1.50
JTAG_TDI: J2.5 R236.2 U1.51
JTAG_TDO: J2.13 R238.2 U1.52
JTAG_TMS: J2.7 R237.2 U1.53
KEY: R254.2 U49.26
KSZ8041_RST: C75.1 R47.2 U12.32
LED0_LINK: D9.2(CATHODE) R111.1 U12.30
LED1_SPEED: D10.2(CATHODE) R110.1 U12.31
LED-1: J7.30 R9.1
LED-2: J7.31 R10.1
LED-3: J7.32 R11.1
LED-4: J7.33 R12.1
LED-5: J7.34 R13.1
LIGHT: R255.1 U49.20
MK60_RXN: T1.9 U11.29
MK60_RXP: T1.11 U11.30
MK60_TXN: T1.14 U11.31
MK60_TXP: T1.16 U11.32
R_A: J17.4 R19.1 R21.2 U7.6
R_B: J17.3 R16.1 R19.2 U7.7
RMII0_CRSDV: R59.1 R108.1 U1.66
RMII0_MDC: U1.82 U12.12
RMII0_MDIO: R65.1 U1.81 U12.11
RMII0_RXD0: R107.1 U1.65 U12.16
RMII0_RXD1: R106.1 U1.64 U12.15
RMII0_RXER: R56.1 R109.1 U1.55
RMII0_TXD0: U1.68 U12.24
RMII0_TXD1: U1.69 U12.25
RMII0_TXEN: U1.67 U12.23
RS: J7.5 U1.77
RX+: R62.1 T1.6 U12.5
RX-: R63.1 T1.8 U12.4
RXN2: J3.6 U11.27
RXN3: T2.9 U11.21
RXN3_A: J9.5 T2.8
RXP2: J3.3 U11.28
RXP3: T2.11 U11.22
RXP3_A: J9.6 T2.6
S_A: J8.4 R24.1 R27.2 U10.6
S_B: J8.3 R23.1 R24.2 U10.7
S_CURR: C106.2 U1.27 U18.1
S_VOLT: C58.1 R78.2 R82.1 U1.29
SYS_RESET#: C1.2 J2.15 R1.2 U1.74
TFT_RESET: J7.8 U1.126
TP_CS: R7.2 U1.140 U5.15
TP_DCLK: U1.141 U5.16
TP_DIN: U1.142 U5.14
TP_DOUT: U1.143 U5.12
TP_IRQ: R8.2 U1.125 U5.11
TX+: R60.1 T1.1 U12.7
TX-: R61.1 T1.3 U12.6
TXN2: J3.2(TD-) U11.25
TXN3: T2.14 U11.23
TXN3_A: J9.3 T2.3
TXP2: J3.1 U11.26
TXP3: T2.16 U11.24
TXP3_A: J9.4 T2.1
UART1_RD#: U1.105 U7.2 U7.3
UART1_RX: U1.106 U7.1
UART1_TX: U1.109 U7.4
UART4_RX: R96.2 U1.46
UART4_TX: R95.2 U1.45
UART5_RD#: U1.13 U10.2 U10.3
UART5_RX: U1.12 U10.1
UART5_TX: U1.11 U10.4
VOUT1G: Q54.4 U49.36
VOUT2G: Q55.4 U49.35
WIFI_LED: D2.2(CATHODE) U11.9(WLED_N)
WIFI_RST: R239.2 U11.42
WORK_VOLT: C72.2 R102.1 R103.2 TP3.1 U1.23
X+: J7.29 U5.2
X-: J7.27 U5.4
Y+: J7.28 U5.3(YP)
Y-: J7.26 U5.5
N17012325: Q1.3 R9.2 R10.2 R11.2 R12.2 R13.2
N17014487: Q1.1 R14.2 R15.2
N17196515: D2.1 R33.1
N17196741: D6.1 R39.1
N17198160: C36.2 R60.2 R61.2
N17198188: C37.2 R62.2 R63.2
N17198404: C33.1 U12.2
N17198433: C38.1 R64.1 U12.10
N17198517: R56.2 U12.20
N17198565: R49.2 U12.26
N17198569: R48.2 U12.27
N17200227: U2.1 Y2.3
N17202037: C28.1 R105.1 T1.2 T1.7
N17204501: C60.1 R91.1 U18.4(VIN-)
N17204505: C60.2 R89.1 U18.3
N17209454: Q3.1 Q3.2 Q3.3(S3) R90.2 R91.2 R240.2
N17221543: J3.11 R37.2
N17222556: D9.1 R43.1
N17222577: D10.1 R46.1
N17230408: R95.1 U20.3
N17230410: R96.1 U20.4
N17230521: C70.1 R97.2 U20.9
N17230527: C71.1 IPX1.1 R97.1
N17230553: R99.1 R101.1 U20.2
N17230577: R98.1 R100.1 U20.1
N17270961: C98.2 R53.1 R57.1
N17270975: R53.2 T2.2
N17270977: R57.2 T2.7
N17273841: R112.1 R113.2
N17273871: C79.2 D15.2 L2.1 U3.6(SW)
N17273873: C79.1 U3.1
N17273901: R113.1 R114.2 U3.3
N17304425: R2.1 R117.2 U21.17
N17304429: R235.1 U21.2
N17304493: C85.1 R4.1
N17304538: R2.2 R5.1
N17304569: R3.2 U21.19
N17304601: R4.2 U21.18
N17304631: C91.2 L1.2(B) R6.2 U21.4 U21.5 U21.6 U21.7
N17304635: R6.1 U21.3
N17304823: C91.1 U21.8
N17304881: C13.2 U21.10
N17323749: F1.1 Q3.5 Q3.6 Q3.7 Q3.8 R82.2
N17336770: R115.2 R229.1 U3.4
N17339403: C117.1 U47.1
N17339407: C117.2 D20.2 L9.1 U47.6(SW)
N17339516: R230.2 R234.1 U47.3
N17339520: R231.1 R232.2 U47.4
N17354745: D1.1 R25.1
N17355934: C99.2 R34.1 R239.1 SW6.2
N17371580: Q3.4 R240.1 R241.2
N17371600: Q5.3 R241.1
N17371629: Q5.1 R120.1 R122.2
N17375717: Q14.1 Q14.2 Q14.3(S3) R242.2 R244.2 R245.2
N17375731: F2.1 Q14.5 Q14.6 Q14.7 Q14.8 R246.2
N17375791: Q14.4 R245.1 R247.2
N17375797: C124.2 R243.1 U48.3
N17375807: C124.1 R244.1 U48.4(VIN-)
N17375904: Q15.3 R247.1
N17375953: Q15.1 R249.1 R250.2
N17394073: J11.4 R93.1
N17394232: Q16.4 R118.1 R119.2
N17394237: J11.1 R119.1
N17394442: J18.1 R251.1 U49.10
N17394452: R253.1 U49.21
N17394480: C134.1 L10.1 U49.14 U49.15 U49.16 U49.17 U49.18
N17394490: C134.2 U49.19
N17394502: KEY1.2 R254.1
N17394508: D11.1 R255.2
N17394510: R256.1 U49.13
N17394511: R257.1 U49.12
N17394514: D21.1 R258.1 R261.1 U49.11
N173045260: C96.1 U21.1

Pads without a net: IPX1 3; J2 3 11 17 19; J3 4 5 7 10; J7 38 40; J17 1; MH1 1; MH2 1; MH3 1; MH4 1; T1 4 5 10 12 13 15; T2 4 5 10 12 13 15; U1 1 2 3 4 7 8 9 10 14 15 19 20 21 24 25 26 28 30 37 38 39 40 41 49 54 60 61 62 63 73 75 76 78 79 80 83 84 85 86 97 103 110 111 112 113 114 115 116 124 127 129 130 131 132 133 136 137 138 139 144; U2 2 3 8; U5 7 8 13; U11 1 2 3 4 5 6 7 10 11 12 13 14 15 16 17 18 19 20 33 34 35 36 37 38 39 40 41 44 45 47 51 52; U12 8 13 14 19 21 22; U20 5; U21 13; USB2 3 9; Y2 1

## Text on the board
Ref Des/Silkscreen Top: RJ45 | MK60 | SPEED | LINK | 3V3 | GND | SWD_CLK | SWD_DIO | DATE:2017-10-30 | NAME:MK60_TSSB-MAIN_V10B.BRD | HYOC
